# Altium PCB WX0.000.863拼板.PcbDoc (part 3 of 15) (continued)
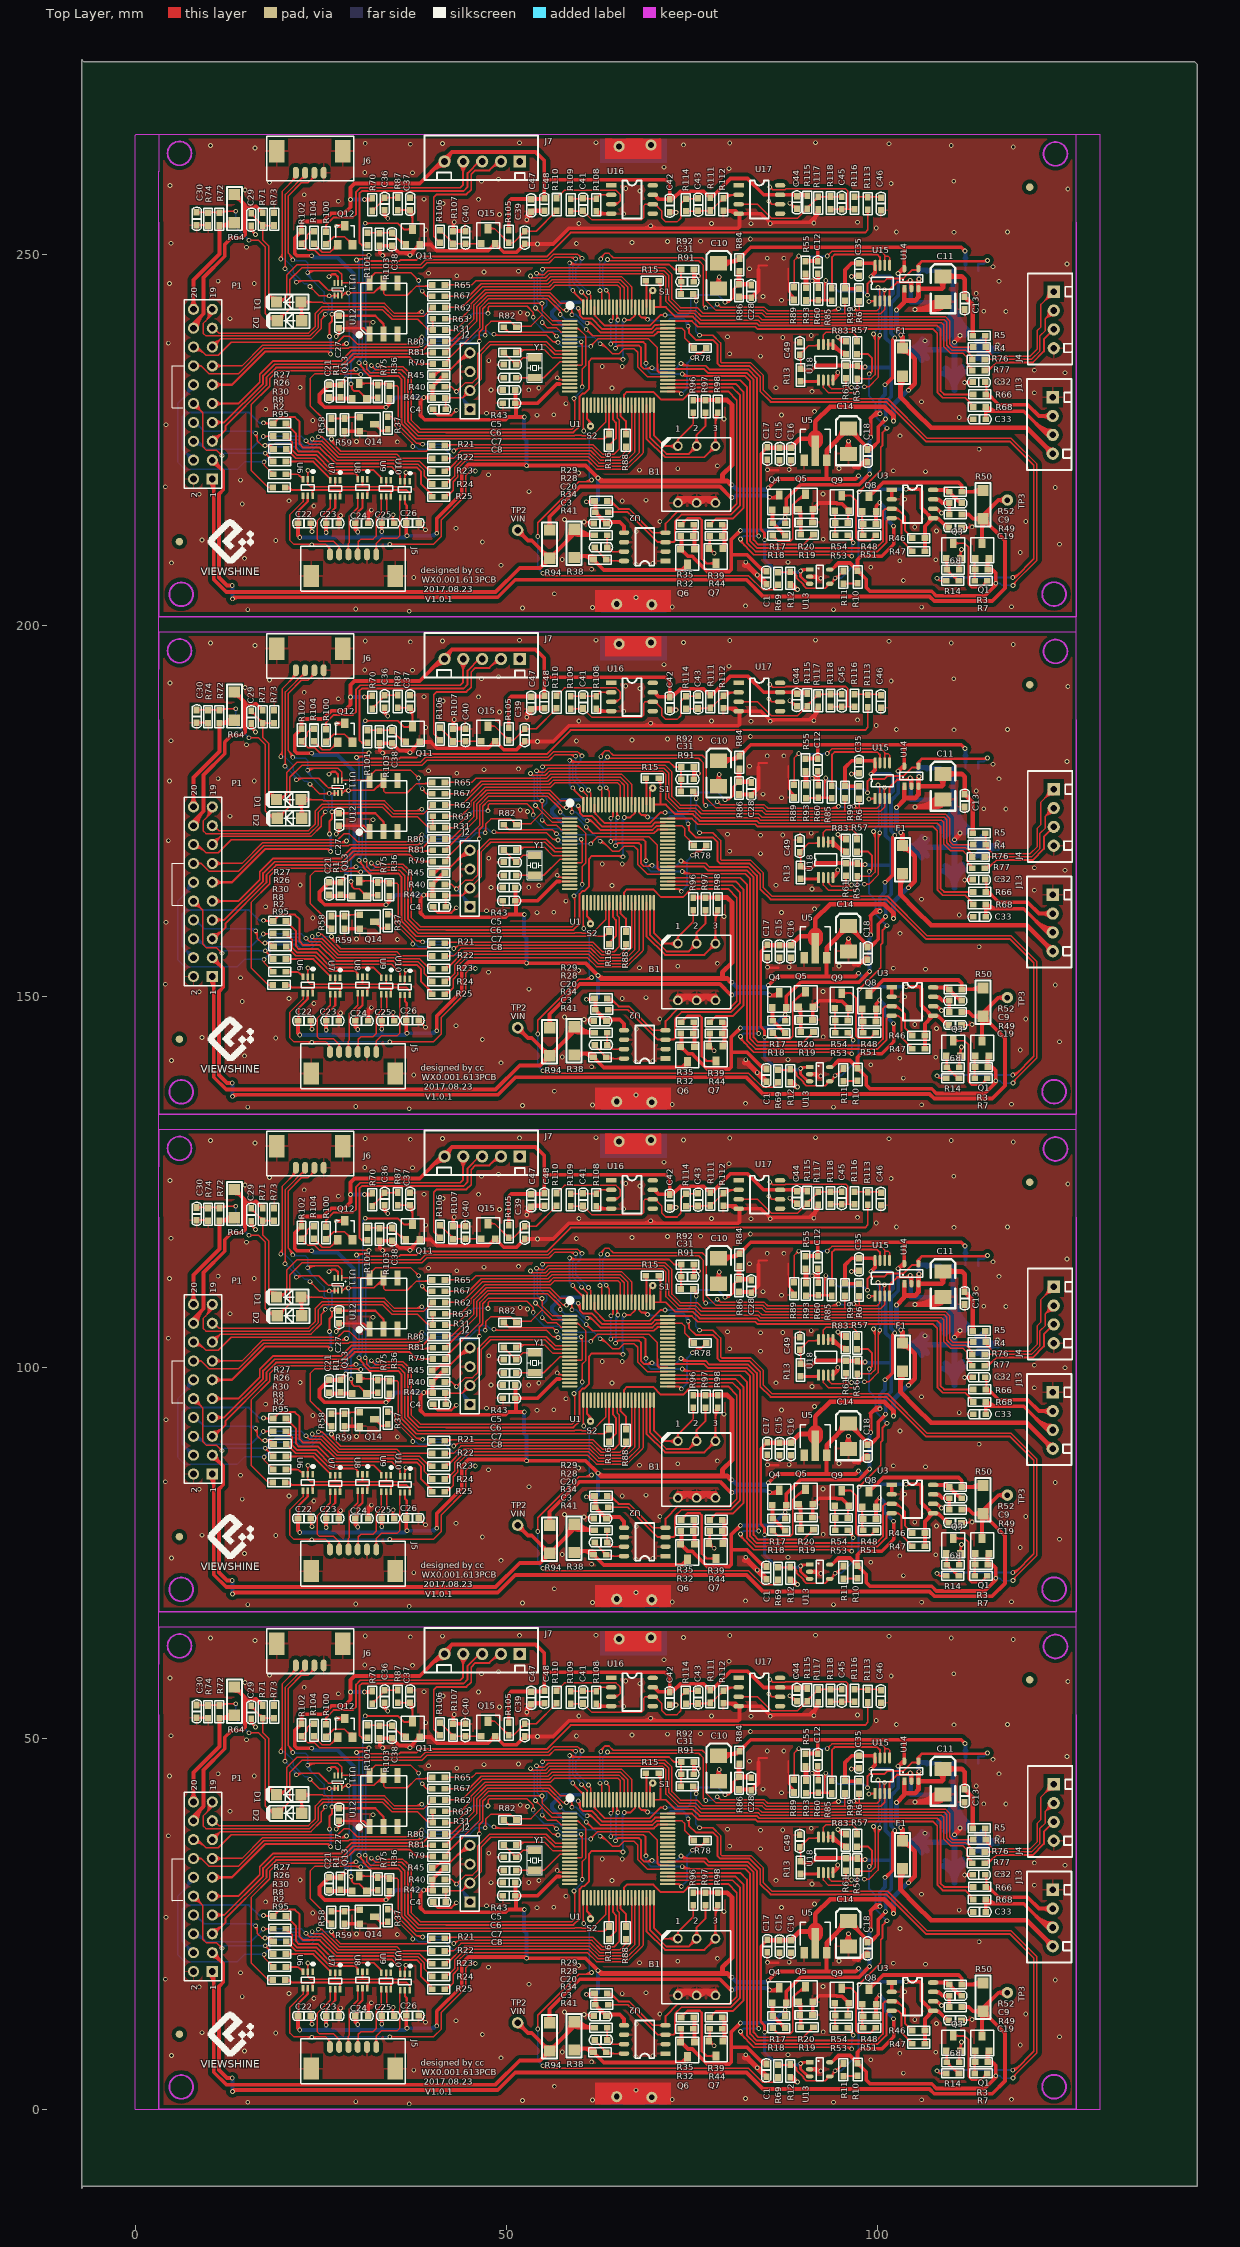
[diagram p0: Top Layer view]
## Nets (pads, with @x,y where several pads share a name; then routed paths per layer and width w, separated by ;. In a path a pad name is that pad's centre, name@x,y a point inside that pad or via, vN(x,y) a via of type N, cw(c..) or ccw(c..) an arc to the next point about the centre after c; other vN are vias at no path point) (continued)
; 18.487,253.666 ccw(c17.989,253.168) 17.989,253.873 ccw(c17.989,254.578) 18.487,254.08 ; 18.491,17.399 17.907,17.399 ; 18.491,84.455 17.907,84.455 ; 18.491,151.511 17.907,151.511 ; 18.491,218.567 17.907,218.567 ; 18.568,42.419 ccw(c17.661,42.471) 18.304,43.114 ccw(c18.946,43.756) 18.998,42.849 ; 18.568,109.475 ccw(c17.661,109.527) 18.304,110.17 ccw(c18.946,110.812) 18.998,109.905 ; 18.568,176.531 ccw(c17.661,176.583) 18.304,177.226 ccw(c18.946,177.868) 18.998,176.961 ; 18.568,243.587 ccw(c17.661,243.639) 18.304,244.282 ccw(c18.946,244.924) 18.998,244.017 ; 18.593,19.177 17.348,20.422 ; 18.593,86.233 17.348,87.478 ; 18.593,153.289 17.348,154.534 ; 18.593,220.345 17.348,221.59 ; 18.618,22.606 18.161,23.063 v1(17.475,23.063) ; 18.618,89.662 18.161,90.119 v1(17.475,90.119) ; 18.618,156.718 18.161,157.175 v1(17.475,157.175) ; 18.618,223.774 18.161,224.231 v1(17.475,224.231) ; 18.694,52.705 17.17,52.705 ; 18.694,119.761 17.17,119.761 ; 18.694,186.817 17.17,186.817 ; 18.694,253.873 17.17,253.873 ; 18.987,43.052 cw(c18.911,44.362) 17.983,43.434 ; 18.987,110.108 cw(c18.911,111.418) 17.983,110.49 ; 18.987,177.164 cw(c18.911,178.474) 17.983,177.546 ; 18.987,244.22 cw(c18.911,245.53) 17.983,244.602 ; 19.025,42.647 19.025,42.393 ; 19.025,109.703 19.025,109.449 ; 19.025,176.759 19.025,176.505 ; 19.025,243.815 19.025,243.561 ; 19.05,42.437 ccw(c19.373,43.006) 19.835,42.543 ; 19.05,109.493 ccw(c19.373,110.062) 19.835,109.599 ; 19.05,176.549 ccw(c19.373,177.118) 19.835,176.655 ; 19.05,243.605 ccw(c19.373,244.174) 19.835,243.711 ; 19.126,40.132 ccw(c19.126,40.99) 19.733,40.383 ; 19.126,40.335 ccw(c19.126,41.684) 20.08,40.73 ; 19.126,40.538 ccw(c19.126,42.378) 20.427,41.077 ; 19.126,107.188 ccw(c19.126,108.046) 19.733,107.439 ; 19.126,107.391 ccw(c19.126,108.74) 20.08,107.786 ; 19.126,107.594 ccw(c19.126,109.434) 20.427,108.133 ; 19.126,174.244 ccw(c19.126,175.102) 19.733,174.495 ; 19.126,174.447 ccw(c19.126,175.796) 20.08,174.842 ; 19.126,174.65 ccw(c19.126,176.49) 20.427,175.189 ; 19.126,241.3 ccw(c19.126,242.158) 19.733,241.551 ; 19.126,241.503 ccw(c19.126,242.852) 20.08,241.898 ; 19.126,241.706 ccw(c19.126,243.546) 20.427,242.245 ; 19.15,42.613 ccw(c19.509,43.246) 20.024,42.732 ; 19.15,109.669 ccw(c19.509,110.302) 20.024,109.788 ; 19.15,176.725 ccw(c19.509,177.358) 20.024,176.844 ; 19.15,243.781 ccw(c19.509,244.414) 20.024,243.9 ; 19.25,42.79 ccw(c19.646,43.487) 20.213,42.92 ; 19.25,109.846 ccw(c19.646,110.543) 20.213,109.976 ; 19.25,176.902 ccw(c19.646,177.599) 20.213,177.032 ; 19.25,243.958 ccw(c19.646,244.655) 20.213,244.088 ; 19.351,42.967 ccw(c19.783,43.727) 20.401,43.109 ; 19.351,110.023 ccw(c19.783,110.783) 20.401,110.165 ; 19.351,177.079 ccw(c19.783,177.839) 20.401,177.221 ; 19.351,244.135 ccw(c19.783,244.895) 20.401,244.277 ; v1@19.431,48.336 ccw(c18.51,49.257) 19.812,49.257 ; v1@19.431,115.392 ccw(c18.51,116.313) 19.812,116.313 ; v1@19.431,182.448 ccw(c18.51,183.369) 19.812,183.369 ; v1@19.431,249.504 ccw(c18.51,250.425) 19.812,250.425 ; v1@19.574,48.193 ccw(c19.001,48.766) 19.812,48.766 ; v1@19.574,115.249 ccw(c19.001,115.822) 19.812,115.822 ; v1@19.574,182.305 ccw(c19.001,182.878) 19.812,182.878 ; v1@19.574,249.361 ccw(c19.001,249.934) 19.812,249.934 ; 19.583,39.878 cw(c20.442,39.878) 19.835,40.485 ; v1(19.583,48.184) 19.685,48.184 19.812,48.311 19.812,57.353 21.62,59.162 ; 19.583,106.934 cw(c20.442,106.934) 19.835,107.541 ; v1(19.583,115.24) 19.685,115.24 19.812,115.367 19.812,124.409 21.62,126.218 ; 19.583,173.99 cw(c20.442,173.99) 19.835,174.597 ; v1(19.583,182.296) 19.685,182.296 19.812,182.423 19.812,191.465 21.62,193.274 ; 19.583,241.046 cw(c20.442,241.046) 19.835,241.653 ; v1(19.583,249.352) 19.685,249.352 19.812,249.479 19.812,258.521 21.62,260.33 ; 19.787,39.878 cw(c21.136,39.878) 20.182,40.832 ; 19.787,106.934 cw(c21.136,106.934) 20.182,107.888 ; 19.787,173.99 cw(c21.136,173.99) 20.182,174.944 ; 19.787,241.046 cw(c21.136,241.046) 20.182,242 ; v1@20.015,47.041 ccw(c19.536,47.52) 20.213,47.52 ; v1@20.015,114.097 ccw(c19.536,114.576) 20.213,114.576 ; v1@20.015,181.153 ccw(c19.536,181.632) 20.213,181.632 ; v1@20.015,248.209 ccw(c19.536,248.688) 20.213,248.688 ; v1@20.213,46.934 20.213,56.891 22.87,59.548 22.87,59.817 ; 20.213,47.299 ccw(c20.578,47.299) v1@20.32,47.041 ; v1@20.213,113.99 20.213,123.947 22.87,126.604 22.87,126.873 ; 20.213,114.355 ccw(c20.578,114.355) v1@20.32,114.097 ; v1@20.213,181.046 20.213,191.003 22.87,193.66 22.87,193.929 ; 20.213,181.411 ccw(c20.578,181.411) v1@20.32,181.153 ; v1@20.213,248.102 20.213,258.059 22.87,260.716 22.87,260.985 ; 20.213,248.467 ccw(c20.578,248.467) v1@20.32,248.209 ; 20.615,53.416 20.615,54.534 ; 20.615,120.472 20.615,121.59 ; 20.615,187.528 20.615,188.646 ; 20.615,254.584 20.615,255.702 ; 20.625,48.971 cw(c19.736,48.082) v1@20.993,48.082 ; 20.625,116.027 cw(c19.736,115.138) v1@20.993,115.138 ; 20.625,183.083 cw(c19.736,182.194) v1@20.993,182.194 ; 20.625,250.139 cw(c19.736,249.25) v1@20.993,249.25 ; 20.931,58.472 ccw(c19.985,59.417) 21.322,59.417 ; 20.931,125.528 ccw(c19.985,126.473) 21.322,126.473 ; 20.931,192.584 ccw(c19.985,193.529) 21.322,193.529 ; 20.931,259.64 ccw(c19.985,260.585) 21.322,260.585 ; 20.972,48.624 cw(c20.43,48.082) v1@21.196,48.082 ; 20.972,115.68 cw(c20.43,115.138) v1@21.196,115.138 ; 20.972,182.736 cw(c20.43,182.194) v1@21.196,182.194 ; 20.972,249.792 cw(c20.43,249.25) v1@21.196,249.25 ; v1(21.209,48.082) 21.209,48.387 20.615,48.981 20.615,54.534 ; v1(21.209,115.138) 21.209,115.443 20.615,116.037 20.615,121.59 ; v1(21.209,182.194) 21.209,182.499 20.615,183.093 20.615,188.646 ; v1(21.209,249.25) 21.209,249.555 20.615,250.149 20.615,255.702 ; 21.277,58.819 ccw(c20.679,59.417) 21.525,59.417 ; 21.277,125.875 ccw(c20.679,126.473) 21.525,126.473 ; 21.277,192.931 ccw(c20.679,193.529) 21.525,193.529 ; 21.277,259.987 ccw(c20.679,260.585) 21.525,260.585 ; v1(21.692,45.06) 21.895,45.263 24.714,45.263 25.785,44.192 25.883,44.094 26.02,43.957 27.569,43.957 27.813,43.714 27.813,43.257 27.916,43.257 28.296,43.637 ; v1(21.692,112.116) 21.895,112.319 24.714,112.319 25.785,111.248 25.883,111.15 26.02,111.013 27.569,111.013 27.813,110.77 27.813,110.313 27.916,110.313 28.296,110.693 ; v1(21.692,179.172) 21.895,179.375 24.714,179.375 25.785,178.304 25.883,178.206 26.02,178.069 27.569,178.069 27.813,177.826 27.813,177.369 27.916,177.369 28.296,177.749 ; v1(21.692,246.228) 21.895,246.431 24.714,246.431 25.785,245.36 25.883,245.262 26.02,245.125 27.569,245.125 27.813,244.882 27.813,244.425 27.916,244.425 28.296,244.805 ; v1@21.701,45.051 cw(c22.213,44.538) 22.213,45.263 ; v1@21.701,112.107 cw(c22.213,111.594) 22.213,112.319 ; v1@21.701,179.163 cw(c22.213,178.65) 22.213,179.375 ; v1@21.701,246.219 cw(c22.213,245.706) 22.213,246.431 ; v1@21.844,44.907 cw(c22.703,44.048) 22.703,45.263 ; v1@21.844,111.963 cw(c22.703,111.104) 22.703,112.319 ; v1@21.844,179.019 cw(c22.703,178.16) 22.703,179.375 ; v1@21.844,246.075 cw(c22.703,245.216) 22.703,246.431 ; 22.137,58.815 cw(c22.87,58.082) 22.87,59.119 ; 22.137,125.871 cw(c22.87,125.138) 22.87,126.175 ; 22.137,192.927 cw(c22.87,192.194) 22.87,193.231 ; 22.137,259.983 cw(c22.87,259.25) 22.87,260.287 ; 22.327,42.393 25.194,42.393 25.375,42.212 33.59,42.212 34.939,40.864 38.298,40.864 38.583,41.148 38.603,41.128 v1(38.603,41.092) ; 22.327,109.449 25.194,109.449 25.375,109.268 33.59,109.268 34.939,107.92 38.298,107.92 38.583,108.204 38.603,108.184 v1(38.603,108.148) ; 22.327,176.505 25.194,176.505 25.375,176.324 33.59,176.324 34.939,174.976 38.298,174.976 38.583,175.26 38.603,175.24 v1(38.603,175.204) ; 22.327,243.561 25.194,243.561 25.375,243.38 33.59,243.38 34.939,242.032 38.298,242.032 38.583,242.316 38.603,242.296 v1(38.603,242.26) ; 22.403,49.898 cw(c22.403,49.07) 22.988,49.656 ; 22.403,50.584 ccw(c22.403,51.412) 22.988,50.827 ; 22.403,116.954 cw(c22.403,116.126) 22.988,116.712 ; 22.403,117.64 ccw(c22.403,118.468) 22.988,117.883 ; 22.403,184.01 cw(c22.403,183.182) 22.988,183.768 ; 22.403,184.696 ccw(c22.403,185.524) 22.988,184.939 ; 22.403,251.066 cw(c22.403,250.238) 22.988,250.824 ; 22.403,251.752 ccw(c22.403,252.58) 22.988,251.995 ; 22.454,59.131 ccw(c22.168,59.417) 22.572,59.417 ; 22.454,126.187 ccw(c22.168,126.473) 22.572,126.473 ; 22.454,193.243 ccw(c22.168,193.529) 22.572,193.529 ; 22.454,260.299 ccw(c22.168,260.585) 22.572,260.585 ; 22.484,59.162 cw(c22.87,58.776) 22.87,59.322 ; 22.484,126.218 cw(c22.87,125.832) 22.87,126.378 ; 22.484,193.274 cw(c22.87,192.888) 22.87,193.434 ; 22.484,260.33 cw(c22.87,259.944) 22.87,260.49 ; 22.539,15.997 cw(c22.414,15.872) 22.591,15.872 cw(c22.768,15.872) 22.643,15.997 ; 22.539,83.053 cw(c22.414,82.928) 22.591,82.928 cw(c22.768,82.928) 22.643,83.053 ; 22.539,150.109 cw(c22.414,149.984) 22.591,149.984 cw(c22.768,149.984) 22.643,150.109 ; 22.539,217.165 cw(c22.414,217.04) 22.591,217.04 cw(c22.768,217.04) 22.643,217.165 ; 22.591,16.299 22.591,15.509 20.828,13.746 20.828,10.262 21.361,9.728 v1@23.774,9.728 ; 22.591,83.355 22.591,82.565 20.828,80.802 20.828,77.318 21.361,76.784 v1@23.774,76.784 ; 22.591,150.411 22.591,149.621 20.828,147.858 20.828,144.374 21.361,143.84 v1@23.774,143.84 ; 22.591,217.467 22.591,216.677 20.828,214.914 20.828,211.43 21.361,210.896 v1@23.774,210.896 ; 22.65,42.069 cw(c23.43,41.289) 23.43,42.393 cw(c23.43,43.496) 22.65,42.716 ; 22.65,109.125 cw(c23.43,108.345) 23.43,109.449 cw(c23.43,110.552) 22.65,109.772 ; 22.65,176.181 cw(c23.43,175.401) 23.43,176.505 cw(c23.43,177.608) 22.65,176.828 ; 22.65,243.237 cw(c23.43,242.457) 23.43,243.561 cw(c23.43,244.664) 22.65,243.884 ; 22.695,50.19 ccw(c23.277,50.19) 22.866,49.778 ; 22.695,50.292 cw(c23.277,50.292) 22.866,50.704 ; 22.695,117.246 ccw(c23.277,117.246) 22.866,116.834 ; 22.695,117.348 cw(c23.277,117.348) 22.866,117.76 ; 22.695,184.302 ccw(c23.277,184.302) 22.866,183.89 ; 22.695,184.404 cw(c23.277,184.404) 22.866,184.816 ; 22.695,251.358 ccw(c23.277,251.358) 22.866,250.946 ; 22.695,251.46 cw(c23.277,251.46) 22.866,251.872 ; 22.794,41.926 cw(c23.921,40.798) 23.921,42.393 cw(c23.921,43.987) 22.794,42.86 ; 22.794,108.982 cw(c23.921,107.854) 23.921,109.449 cw(c23.921,111.043) 22.794,109.916 ; 22.794,176.038 cw(c23.921,174.91) 23.921,176.505 cw(c23.921,178.099) 22.794,176.972 ; 22.794,243.094 cw(c23.921,241.966) 23.921,243.561 cw(c23.921,245.155) 22.794,244.028 ; v1@22.987,23.482 cw(c22.987,22.961) 23.356,23.33 cw(c23.724,23.698) v1@23.203,23.698 ; v1(22.987,23.698) 23.46,23.225 25.029,23.225 27.182,21.072 34.908,21.072 35.466,20.514 38.135,20.514 38.908,19.74 38.908,18.971 40.005,17.875 40.259,17.875 ; v1@22.987,90.538 cw(c22.987,90.017) 23.356,90.386 cw(c23.724,90.754) v1@23.203,90.754 ; v1(22.987,90.754) 23.46,90.281 25.029,90.281 27.182,88.128 34.908,88.128 35.466,87.57 38.135,87.57 38.908,86.796 38.908,86.027 40.005,84.931 40.259,84.931 ; v1@22.987,157.594 cw(c22.987,157.073) 23.356,157.442 cw(c23.724,157.81) v1@23.203,157.81 ; v1(22.987,157.81) 23.46,157.337 25.029,157.337 27.182,155.184 34.908,155.184 35.466,154.626 38.135,154.626 38.908,153.852 38.908,153.083 40.005,151.987 40.259,151.987 ; v1@22.987,224.65 cw(c22.987,224.129) 23.356,224.498 cw(c23.724,224.866) v1@23.203,224.866 ; v1(22.987,224.866) 23.46,224.393 25.029,224.393 27.182,222.24 34.908,222.24 35.466,221.682 38.135,221.682 38.908,220.908 38.908,220.139 40.005,219.043 40.259,219.043 ; v1@23.088,19.558 cw(c22.72,19.189) 23.241,19.189 cw(c23.762,19.189) v1@23.394,19.558 ; v1@23.088,86.614 cw(c22.72,86.245) 23.241,86.245 cw(c23.762,86.245) v1@23.394,86.614 ; v1@23.088,153.67 cw(c22.72,153.301) 23.241,153.301 cw(c23.762,153.301) v1@23.394,153.67 ; v1@23.088,220.726 cw(c22.72,220.357) 23.241,220.357 cw(c23.762,220.357) v1@23.394,220.726 ; 23.131,9.728 cw(c23.131,9.034) v1@23.622,9.525 ; 23.131,76.784 cw(c23.131,76.09) v1@23.622,76.581 ; 23.131,143.84 cw(c23.131,143.146) v1@23.622,143.637 ; 23.131,210.896 cw(c23.131,210.202) v1@23.622,210.693 ; 23.189,18.197 cw(c23.064,18.072) 23.241,18.072 cw(c23.418,18.072) 23.293,18.197 ; 23.189,18.801 ccw(c23.064,18.926) 23.241,18.926 ccw(c23.418,18.926) 23.293,18.801 ; 23.189,85.253 cw(c23.064,85.128) 23.241,85.128 cw(c23.418,85.128) 23.293,85.253 ; 23.189,85.857 ccw(c23.064,85.982) 23.241,85.982 ccw(c23.418,85.982) 23.293,85.857 ; 23.189,152.309 cw(c23.064,152.184) 23.241,152.184 cw(c23.418,152.184) 23.293,152.309 ; 23.189,152.913 ccw(c23.064,153.038) 23.241,153.038 ccw(c23.418,153.038) 23.293,152.913 ; 23.189,219.365 cw(c23.064,219.24) 23.241,219.24 cw(c23.418,219.24) 23.293,219.365 ; 23.189,219.969 ccw(c23.064,220.094) 23.241,220.094 ccw(c23.418,220.094) 23.293,219.969 ; v1(23.216,46.355) 23.454,46.594 27.346,46.594 27.813,46.127 27.813,45.669 27.813,44.957 27.832,44.977 31.552,44.977 31.552,45.547 32.334,46.33 37.135,46.33 v1(38.176,45.288) ; v1(23.216,113.411) 23.454,113.65 27.346,113.65 27.813,113.183 27.813,112.725 27.813,112.013 27.832,112.033 31.552,112.033 31.552,112.603 32.334,113.386 37.135,113.386 v1(38.176,112.344) ; v1(23.216,180.467) 23.454,180.706 27.346,180.706 27.813,180.239 27.813,179.781 27.813,179.069 27.832,179.089 31.552,179.089 31.552,179.659 32.334,180.442 37.135,180.442 v1(38.176,179.4) ; v1(23.216,247.523) 23.454,247.762 27.346,247.762 27.813,247.295 27.813,246.837 27.813,246.125 27.832,246.145 31.552,246.145 31.552,246.715 32.334,247.498 37.135,247.498 v1(38.176,246.456) ; v1@23.225,46.346 cw(c23.823,45.748) 23.823,46.594 ; v1@23.225,113.402 cw(c23.823,112.804) 23.823,113.65 ; v1@23.225,180.458 cw(c23.823,179.86) 23.823,180.706 ; v1@23.225,247.514 cw(c23.823,246.916) 23.823,247.762 ; v1(23.241,19.71) 23.241,18.499 23.241,17.831 23.596,17.476 26.924,17.476 ; v1(23.241,86.766) 23.241,85.555 23.241,84.887 23.596,84.532 26.924,84.532 ; v1(23.241,153.822) 23.241,152.611 23.241,151.943 23.596,151.588 26.924,151.588 ; v1(23.241,220.878) 23.241,219.667 23.241,218.999 23.596,218.644 26.924,218.644 ; 23.245,51.523 cw(c23.937,50.83) 24.044,51.804 ; 23.245,118.579 cw(c23.937,117.886) 24.044,118.86 ; 23.245,185.635 cw(c23.937,184.942) 24.044,185.916 ; 23.245,252.691 cw(c23.937,251.998) 24.044,252.972 ; 23.292,51.57 23.665,51.943 ; 23.292,118.626 23.665,118.999 ; 23.292,185.682 23.665,186.055 ; 23.292,252.738 23.665,253.111 ; 23.329,51.607 cw(c23.859,51.077) 24.033,51.806 ; 23.329,118.663 cw(c23.859,118.133) 24.033,118.862 ; 23.329,185.719 cw(c23.859,185.189) 24.033,185.918 ; 23.329,252.775 cw(c23.859,252.245) 24.033,252.974 ; v1@23.368,46.202 cw(c24.313,45.257) 24.313,46.594 ; v1@23.368,113.258 cw(c24.313,112.313) 24.313,113.65 ; v1@23.368,180.314 cw(c24.313,179.369) 24.313,180.706 ; v1@23.368,247.37 cw(c24.313,246.425) 24.313,247.762 ; 23.376,9.728 ccw(c23.376,10.076) v1@23.622,9.83 ; 23.376,76.784 ccw(c23.376,77.132) v1@23.622,76.886 ; 23.376,143.84 ccw(c23.376,144.188) v1@23.622,143.942 ; 23.376,210.896 ccw(c23.376,211.244) v1@23.622,210.998 ; 23.403,12.366 cw(c22.904,11.868) 23.61,11.868 cw(c24.315,11.868) 23.816,12.366 ; 23.403,79.422 cw(c22.904,78.924) 23.61,78.924 cw(c24.315,78.924) 23.816,79.422 ; 23.403,146.478 cw(c22.904,145.98) 23.61,145.98 cw(c24.315,145.98) 23.816,146.478 ; 23.403,213.534 cw(c22.904,213.036) 23.61,213.036 cw(c24.315,213.036) 23.816,213.534 ; v1@23.52,44.259 cw(c23.52,43.738) 23.889,44.107 cw(c24.258,44.475) v1@23.736,44.475 ; v1(23.52,44.475) 24.786,43.21 26.137,43.21 26.765,43.21 26.813,43.257 ; v1@23.52,111.316 cw(c23.52,110.794) 23.889,111.163 cw(c24.258,111.531) v1@23.736,111.531 ; v1(23.52,111.531) 24.786,110.266 26.137,110.266 26.765,110.266 26.813,110.313 ; v1@23.52,178.371 cw(c23.52,177.85) 23.889,178.219 cw(c24.258,178.587) v1@23.736,178.587 ; v1(23.52,178.587) 24.786,177.322 26.137,177.322 26.765,177.322 26.813,177.369 ; v1@23.52,245.427 cw(c23.52,244.906) 23.889,245.275 cw(c24.258,245.643) v1@23.736,245.643 ; v1(23.52,245.643) 24.786,244.378 26.137,244.378 26.765,244.378 26.813,244.425 ; 23.544,51.822 cw(c23.997,51.37) 24.066,52.006 ; 23.544,118.878 cw(c23.997,118.426) 24.066,119.062 ; 23.544,185.934 cw(c23.997,185.482) 24.066,186.118 ; 23.544,252.99 cw(c23.997,252.538) 24.066,253.174 ; 23.546,58.75 ccw(c22.879,59.417) 23.822,59.417 ; 23.546,125.806 ccw(c22.879,126.473) 23.822,126.473 ; 23.546,192.862 ccw(c22.879,193.529) 23.822,193.529 ; 23.546,259.918 ccw(c22.879,260.585) 23.822,260.585 ; 23.585,51.864 cw(c23.958,51.491) 24.08,52.003 ; 23.585,118.92 cw(c23.958,118.547) 24.08,119.059 ; 23.585,185.976 cw(c23.958,185.603) 24.08,186.115 ; 23.585,253.032 cw(c23.958,252.659) 24.08,253.171 ; 23.61,11.945 ccw(c24.29,11.945) v1@23.809,11.464 ; 23.61,12.436 ccw(c24.78,12.436) v1@23.952,11.608 ; 23.61,12.573 23.61,11.646 v1(23.8,11.455) ; 23.61,79.001 ccw(c24.29,79.001) v1@23.809,78.52 ; 23.61,79.492 ccw(c24.78,79.492) v1@23.952,78.664 ; 23.61,79.629 23.61,78.702 v1(23.8,78.511) ; 23.61,146.057 ccw(c24.29,146.057) v1@23.809,145.576 ; 23.61,146.548 ccw(c24.78,146.548) v1@23.952,145.72 ; 23.61,146.685 23.61,145.758 v1(23.8,145.567) ; 23.61,213.113 ccw(c24.29,213.113) v1@23.809,212.632 ; 23.61,213.604 ccw(c24.78,213.604) v1@23.952,212.776 ; 23.61,213.741 23.61,212.814 v1(23.8,212.623) ; 23.768,58.973 cw(c24.12,58.621) 24.12,59.119 ; 23.768,126.029 cw(c24.12,125.677) 24.12,126.175 ; 23.768,193.085 cw(c24.12,192.733) 24.12,193.231 ; 23.768,260.141 cw(c24.12,259.789) 24.12,260.287 ; v1(23.774,9.677) v1@23.774,9.728 ; v1(23.774,76.733) v1@23.774,76.784 ; v1(23.774,143.789) v1@23.774,143.84 ; v1(23.774,210.845) v1@23.774,210.896 ; v1@23.927,9.525 cw(c24.418,9.034) 24.418,9.728 ; v1@23.927,9.83 ccw(c24.173,10.076) 24.173,9.728 ; v1@23.927,76.581 cw(c24.418,76.09) 24.418,76.784 ; v1@23.927,76.886 ccw(c24.173,77.132) 24.173,76.784 ; v1@23.927,143.637 cw(c24.418,143.146) 24.418,143.84 ; v1@23.927,143.942 ccw(c24.173,144.188) 24.173,143.84 ; v1@23.927,210.693 cw(c24.418,210.202) 24.418,210.896 ; v1@23.927,210.998 ccw(c24.173,211.244) 24.173,210.896 ; 23.952,23.627 25.195,23.627 27.348,21.473 35.074,21.473 35.632,20.915 38.318,20.915 39.637,19.596 40.005,19.596 40.259,19.596 ; 23.952,90.683 25.195,90.683 27.348,88.529 35.074,88.529 35.632,87.971 38.318,87.971 39.637,86.652 40.005,86.652 40.259,86.652 ; 23.952,157.739 25.195,157.739 27.348,155.585 35.074,155.585 35.632,155.027 38.318,155.027 39.637,153.708 40.005,153.708 40.259,153.708 ; 23.952,224.795 25.195,224.795 27.348,222.641 35.074,222.641 35.632,222.083 38.318,222.083 39.637,220.764 40.005,220.764 40.259,220.764 ; 24.054,49.898 cw(c24.054,49.07) 24.639,49.656 ; 24.054,50.241 25.197,49.098 26.209,49.098 27.245,50.135 ; 24.054,51.943 23.665,51.943 ; 24.054,116.954 cw(c24.054,116.126) 24.639,116.712 ; 24.054,117.297 25.197,116.154 26.209,116.154 27.245,117.191 ; 24.054,118.999 23.665,118.999 ; 24.054,184.01 cw(c24.054,183.182) 24.639,183.768 ; 24.054,184.353 25.197,183.21 26.209,183.21 27.245,184.247 ; 24.054,186.055 23.665,186.055 ; 24.054,251.066 cw(c24.054,250.238) 24.639,250.824 ; 24.054,251.409 25.197,250.266 26.209,250.266 27.245,251.303 ; 24.054,253.111 23.665,253.111 ; 24.12,59.817 24.12,59.325 23.266,58.471 22.361,58.471 20.615,56.725 20.615,54.534 ; 24.12,126.873 24.12,126.381 23.266,125.527 22.361,125.527 20.615,123.781 20.615,121.59 ; 24.12,193.929 24.12,193.437 23.266,192.583 22.361,192.583 20.615,190.837 20.615,188.646 ; 24.12,260.985 24.12,260.493 23.266,259.639 22.361,259.639 20.615,257.893 20.615,255.702 ; 24.346,50.19 ccw(c24.928,50.19) 24.517,49.778 ; 24.346,117.246 ccw(c24.928,117.246) 24.517,116.834 ; 24.346,184.302 ccw(c24.928,184.302) 24.517,183.89 ; 24.346,251.358 ccw(c24.928,251.358) 24.517,250.946 ; 24.478,10.82 24.478,11.608 ; 24.478,77.876 24.478,78.664 ; 24.478,144.932 24.478,145.72 ; 24.478,211.988 24.478,212.776 ; v1(24.658,24.244) 24.67,24.232 25.157,24.232 ; v1(24.658,91.3) 24.67,91.288 25.157,91.288 ; v1(24.658,158.356) 24.67,158.344 25.157,158.344 ; v1(24.658,225.412) 24.67,225.4 25.157,225.4 ; v1@24.811,24.091 cw(c25.15,23.752) 25.15,24.232 ; v1@24.811,91.147 cw(c25.15,90.808) 25.15,91.288 ; v1@24.811,158.203 cw(c25.15,157.864) 25.15,158.344 ; v1@24.811,225.259 cw(c25.15,224.92) 25.15,225.4 ; v1@24.822,24.385 ccw(c25.157,24.676) 25.157,24.232 ; v1@24.822,91.441 ccw(c25.157,91.732) 25.157,91.288 ; v1@24.822,158.497 ccw(c25.157,158.788) 25.157,158.344 ; v1@24.822,225.553 ccw(c25.157,225.844) 25.157,225.4 ; 25.136,40.122 ccw(c24.529,40.729) v1@25.387,40.739 ; 25.136,107.178 ccw(c24.529,107.785) v1@25.387,107.795 ; 25.136,174.234 ccw(c24.529,174.841) v1@25.387,174.851 ; 25.136,241.29 ccw(c24.529,241.897) v1@25.387,241.907 ; 25.565,43.21 ccw(c25.565,43.803) v1@25.984,43.383 ; 25.565,110.266 ccw(c25.565,110.859) v1@25.984,110.439 ; 25.565,177.322 ccw(c25.565,177.915) v1@25.984,177.495 ; 25.565,244.378 ccw(c25.565,244.971) v1@25.984,244.551 ; v1(25.603,40.742) 25.679,40.665 25.06,40.046 25.06,38.809 23.668,37.418 11.452,37.418 ; v1(25.603,107.798) 25.679,107.721 25.06,107.102 25.06,105.865 23.668,104.474 11.452,104.474 ; v1(25.603,174.854) 25.679,174.777 25.06,174.158 25.06,172.921 23.668,171.53 11.452,171.53 ; v1(25.603,241.91) 25.679,241.833 25.06,241.214 25.06,239.977 23.668,238.586 11.452,238.586 ; 25.653,25.528 ccw(c26.181,26.056) 26.35,25.329 ; 25.653,92.584 ccw(c26.181,93.112) 26.35,92.385 ; 25.653,159.64 ccw(c26.181,160.168) 26.35,159.441 ; 25.653,226.696 ccw(c26.181,227.224) 26.35,226.497 ; 25.666,43.21 cw(c25.666,42.76) v1@25.984,43.078 ; 25.666,110.266 cw(c25.666,109.816) v1@25.984,110.134 ; 25.666,177.322 cw(c25.666,176.872) v1@25.984,177.19 ; 25.666,244.378 cw(c25.666,243.928) v1@25.984,244.246 ; 25.705,50.19 26.721,51.206 28.169,51.206 29.261,50.114 ; 25.705,50.533 ccw(c25.705,51.361) 26.29,50.776 ; 25.705,117.246 26.721,118.262 28.169,118.262 29.261,117.17 ; 25.705,117.589 ccw(c25.705,118.417) 26.29,117.832 ; 25.705,184.302 26.721,185.318 28.169,185.318 29.261,184.226 ; 25.705,184.645 ccw(c25.705,185.473) 26.29,184.888 ; 25.705,251.358 26.721,252.374 28.169,252.374 29.261,251.282 ; 25.705,251.701 ccw(c25.705,252.529) 26.29,251.944 ; 25.718,12.573 25.806,12.661 ; 25.718,79.629 25.806,79.717 ; 25.718,146.685 25.806,146.773 ; 25.718,213.741 25.806,213.829 ; 25.798,9.61 cw(c25.025,8.837) 26.117,8.786 ; 25.798,76.666 cw(c25.025,75.893) 26.117,75.842 ; 25.798,143.722 cw(c25.025,142.949) 26.117,142.898 ; 25.798,210.778 cw(c25.025,210.005) 26.117,209.954 ; 25.882,9.526 25.679,9.728 ; 25.882,76.582 25.679,76.784 ; 25.882,143.638 25.679,143.84 ; 25.882,210.694 25.679,210.896 ; 25.912,25.269 ccw(c26.279,25.636) 26.396,25.131 ; 25.912,92.325 ccw(c26.279,92.692) 26.396,92.187 ; 25.912,159.381 ccw(c26.279,159.748) 26.396,159.243 ; 25.912,226.437 ccw(c26.279,226.804) 26.396,226.299 ; 25.997,50.241 cw(c26.579,50.241) 26.168,50.653 ; 25.997,117.297 cw(c26.579,117.297) 26.168,117.709 ; 25.997,184.353 cw(c26.579,184.353) 26.168,184.765 ; 25.997,251.409 cw(c26.579,251.409) 26.168,251.821 ; 26.118,9.065 ccw(c26.074,9.196) 26.212,9.196 ; 26.118,76.121 ccw(c26.074,76.252) 26.212,76.252 ; 26.118,143.177 ccw(c26.074,143.308) 26.212,143.308 ; 26.118,210.233 ccw(c26.074,210.364) 26.212,210.364 ; 26.123,9.284 cw(c25.647,8.808) 26.32,8.777 ; 26.123,76.34 cw(c25.647,75.864) 26.32,75.833 ; 26.123,143.396 cw(c25.647,142.92) 26.32,142.889 ; 26.123,210.452 cw(c25.647,209.976) 26.32,209.945 ; 26.212,8.382 26.212,9.196 ; 26.212,75.438 26.212,76.252 ; 26.212,142.494 26.212,143.308 ; 26.212,209.55 26.212,210.364 ; 26.222,15.87 cw(c26.097,15.745) 26.274,15.745 cw(c26.451,15.745) 26.326,15.87 ; 26.222,82.926 cw(c26.097,82.801) 26.274,82.801 cw(c26.451,82.801) 26.326,82.926 ; 26.222,149.982 cw(c26.097,149.857) 26.274,149.857 cw(c26.451,149.857) 26.326,149.982 ; 26.222,217.038 cw(c26.097,216.913) 26.274,216.913 cw(c26.451,216.913) 26.326,217.038 ; v1@26.251,23.927 ccw(c26.785,23.927) 26.407,23.549 ; v1@26.251,90.983 ccw(c26.785,90.983) 26.407,90.605 ; v1@26.251,158.039 ccw(c26.785,158.039) 26.407,157.661 ; v1@26.251,225.095 ccw(c26.785,225.095) 26.407,224.717 ; 26.274,16.172 26.274,14.671 24.478,12.874 24.478,11.608 ; 26.274,83.228 26.274,81.727 24.478,79.93 24.478,78.664 ; 26.274,150.284 26.274,148.783 24.478,146.986 24.478,145.72 ; 26.274,217.34 26.274,215.839 24.478,214.042 24.478,212.776 ; v1@26.289,43.078 cw(c26.607,42.76) 26.607,43.21 ; v1@26.289,43.383 ccw(c26.709,43.803) 26.709,43.21 ; v1@26.289,110.134 cw(c26.607,109.816) 26.607,110.266 ; v1@26.289,110.439 ccw(c26.709,110.859) 26.709,110.266 ; v1@26.289,177.19 cw(c26.607,176.872) 26.607,177.322 ; v1@26.289,177.495 ccw(c26.709,177.915) 26.709,177.322 ; v1@26.289,244.246 cw(c26.607,243.928) 26.607,244.378 ; v1@26.289,244.551 ccw(c26.709,244.971) 26.709,244.378 ; 26.306,9.065 cw(c26.349,9.196) 26.212,9.196 ; 26.306,76.121 cw(c26.349,76.252) 26.212,76.252 ; 26.306,143.177 cw(c26.349,143.308) 26.212,143.308 ; 26.306,210.233 cw(c26.349,210.364) 26.212,210.364 ; 26.334,49.224 cw(c27.245,48.313) 27.245,49.601 ; 26.334,116.28 cw(c27.245,115.369) 27.245,116.657 ; 26.334,183.336 cw(c27.245,182.425) 27.245,183.713 ; 26.334,250.392 cw(c27.245,249.481) 27.245,250.769 ; 26.416,24.993 26.188,24.993 25.514,25.667 25.514,26.455 23.546,28.423 23.546,32.106 24.15,32.71 30.383,32.71 30.429,32.664 30.404,32.664 v1(30.378,32.639) ; 26.416,92.049 26.188,92.049 25.514,92.723 25.514,93.511 23.546,95.479 23.546,99.162 24.15,99.766 30.383,99.766 30.429,99.72 30.404,99.72 v1(30.378,99.695) ; 26.416,159.105 26.188,159.105 25.514,159.779 25.514,160.567 23.546,162.535 23.546,166.218 24.15,166.822 30.383,166.822 30.429,166.776 30.404,166.776 v1(30.378,166.751) ; 26.416,226.161 26.188,226.161 25.514,226.835 25.514,227.623 23.546,229.591 23.546,233.274 24.15,233.878 30.383,233.878 30.429,233.832 30.404,233.832 v1(30.378,233.807) ; v1(26.441,23.927) 26.363,23.848 26.363,23.594 27.681,22.276 39.243,22.276 40.005,23.037 40.259,23.037 ; v1(26.441,90.983) 26.363,90.904 26.363,90.65 27.681,89.332 39.243,89.332 40.005,90.093 40.259,90.093 ; v1(26.441,158.039) 26.363,157.96 26.363,157.706 27.681,156.388 39.243,156.388 40.005,157.149 40.259,157.149 ; v1(26.441,225.095) 26.363,225.016 26.363,224.762 27.681,223.444 39.243,223.444 40.005,224.205 40.259,224.205 ; v1@26.454,23.927 ccw(c27.479,23.927) 26.754,23.202 ; v1@26.454,90.983 ccw(c27.479,90.983) 26.754,90.258 ; v1@26.454,158.039 ccw(c27.479,158.039) 26.754,157.314 ; v1@26.454,225.095 ccw(c27.479,225.095) 26.754,224.37 ; 26.641,49.531 ccw(c26.164,50.008) 26.839,50.008 ; 26.641,116.587 ccw(c26.164,117.064) 26.839,117.064 ; 26.641,183.643 ccw(c26.164,184.12) 26.839,184.12 ; 26.641,250.699 ccw(c26.164,251.176) 26.839,251.176 ; 26.642,43.21 ccw(c26.642,43.428) 26.796,43.274 ; 26.642,110.266 ccw(c26.642,110.484) 26.796,110.33 ; 26.642,177.322 ccw(c26.642,177.54) 26.796,177.386 ; 26.642,244.378 ccw(c26.642,244.596) 26.796,244.442 ; v1@26.657,23.927 ccw(c28.172,23.927) 27.101,22.855 ; v1@26.657,90.983 ccw(c28.172,90.983) 27.101,89.911 ; v1@26.657,158.039 ccw(c28.172,158.039) 27.101,156.967 ; v1@26.657,225.095 ccw(c28.172,225.095) 27.101,224.023 ; 26.681,49.571 cw(c27.245,49.007) 27.245,49.804 ; 26.681,116.627 cw(c27.245,116.063) 27.245,116.86 ; 26.681,183.683 cw(c27.245,183.119) 27.245,183.916 ; 26.681,250.739 cw(c27.245,250.175) 27.245,250.972 ; 26.872,18.07 cw(c26.747,17.945) 26.924,17.945 cw(c27.101,17.945) 26.976,18.07 ; 26.872,85.126 cw(c26.747,85.001) 26.924,85.001 cw(c27.101,85.001) 26.976,85.126 ; 26.872,152.182 cw(c26.747,152.057) 26.924,152.057 cw(c27.101,152.057) 26.976,152.182 ; 26.872,219.238 cw(c26.747,219.113) 26.924,219.113 cw(c27.101,219.113) 26.976,219.238 ; 26.924,18.372 26.924,17.476 ; 26.924,85.428 26.924,84.532 ; 26.924,152.484 26.924,151.588 ; 26.924,219.54 26.924,218.644 ; 27.278,9.017 ccw(c26.984,9.394) 27.462,9.394 ccw(c27.939,9.394) 27.645,9.017 ; 27.278,76.073 ccw(c26.984,76.45) 27.462,76.45 ccw(c27.939,76.45) 27.645,76.073 ; 27.278,143.129 ccw(c26.984,143.506) 27.462,143.506 ccw(c27.939,143.506) 27.645,143.129 ; 27.278,210.185 ccw(c26.984,210.562) 27.462,210.562 ccw(c27.939,210.562) 27.645,210.185 ; 27.375,36.576 ccw(c27.375,37.878) v1@28.295,36.957 ; 27.375,103.632 ccw(c27.375,104.934) v1@28.295,104.013 ; 27.375,170.688 ccw(c27.375,171.99) v1@28.295,171.069 ; 27.375,237.744 ccw(c27.375,239.046) v1@28.295,238.125